# Altium PCB EVK-IRIS-W1.PcbDoc (part 2 of 9)
Units mm, origin at the board's own origin, x right, y up, seen from the top; angles counter-clockwise.
Board outline 94.11 x 129.93 mm, 6 copper layers (L1, L2, L3, L4, L5, L6), stack 1.547 mm thick; 619 components, 422 nets, 2042 pads, 1499 vias.
Unrouted connection lines stored in the file: 4.
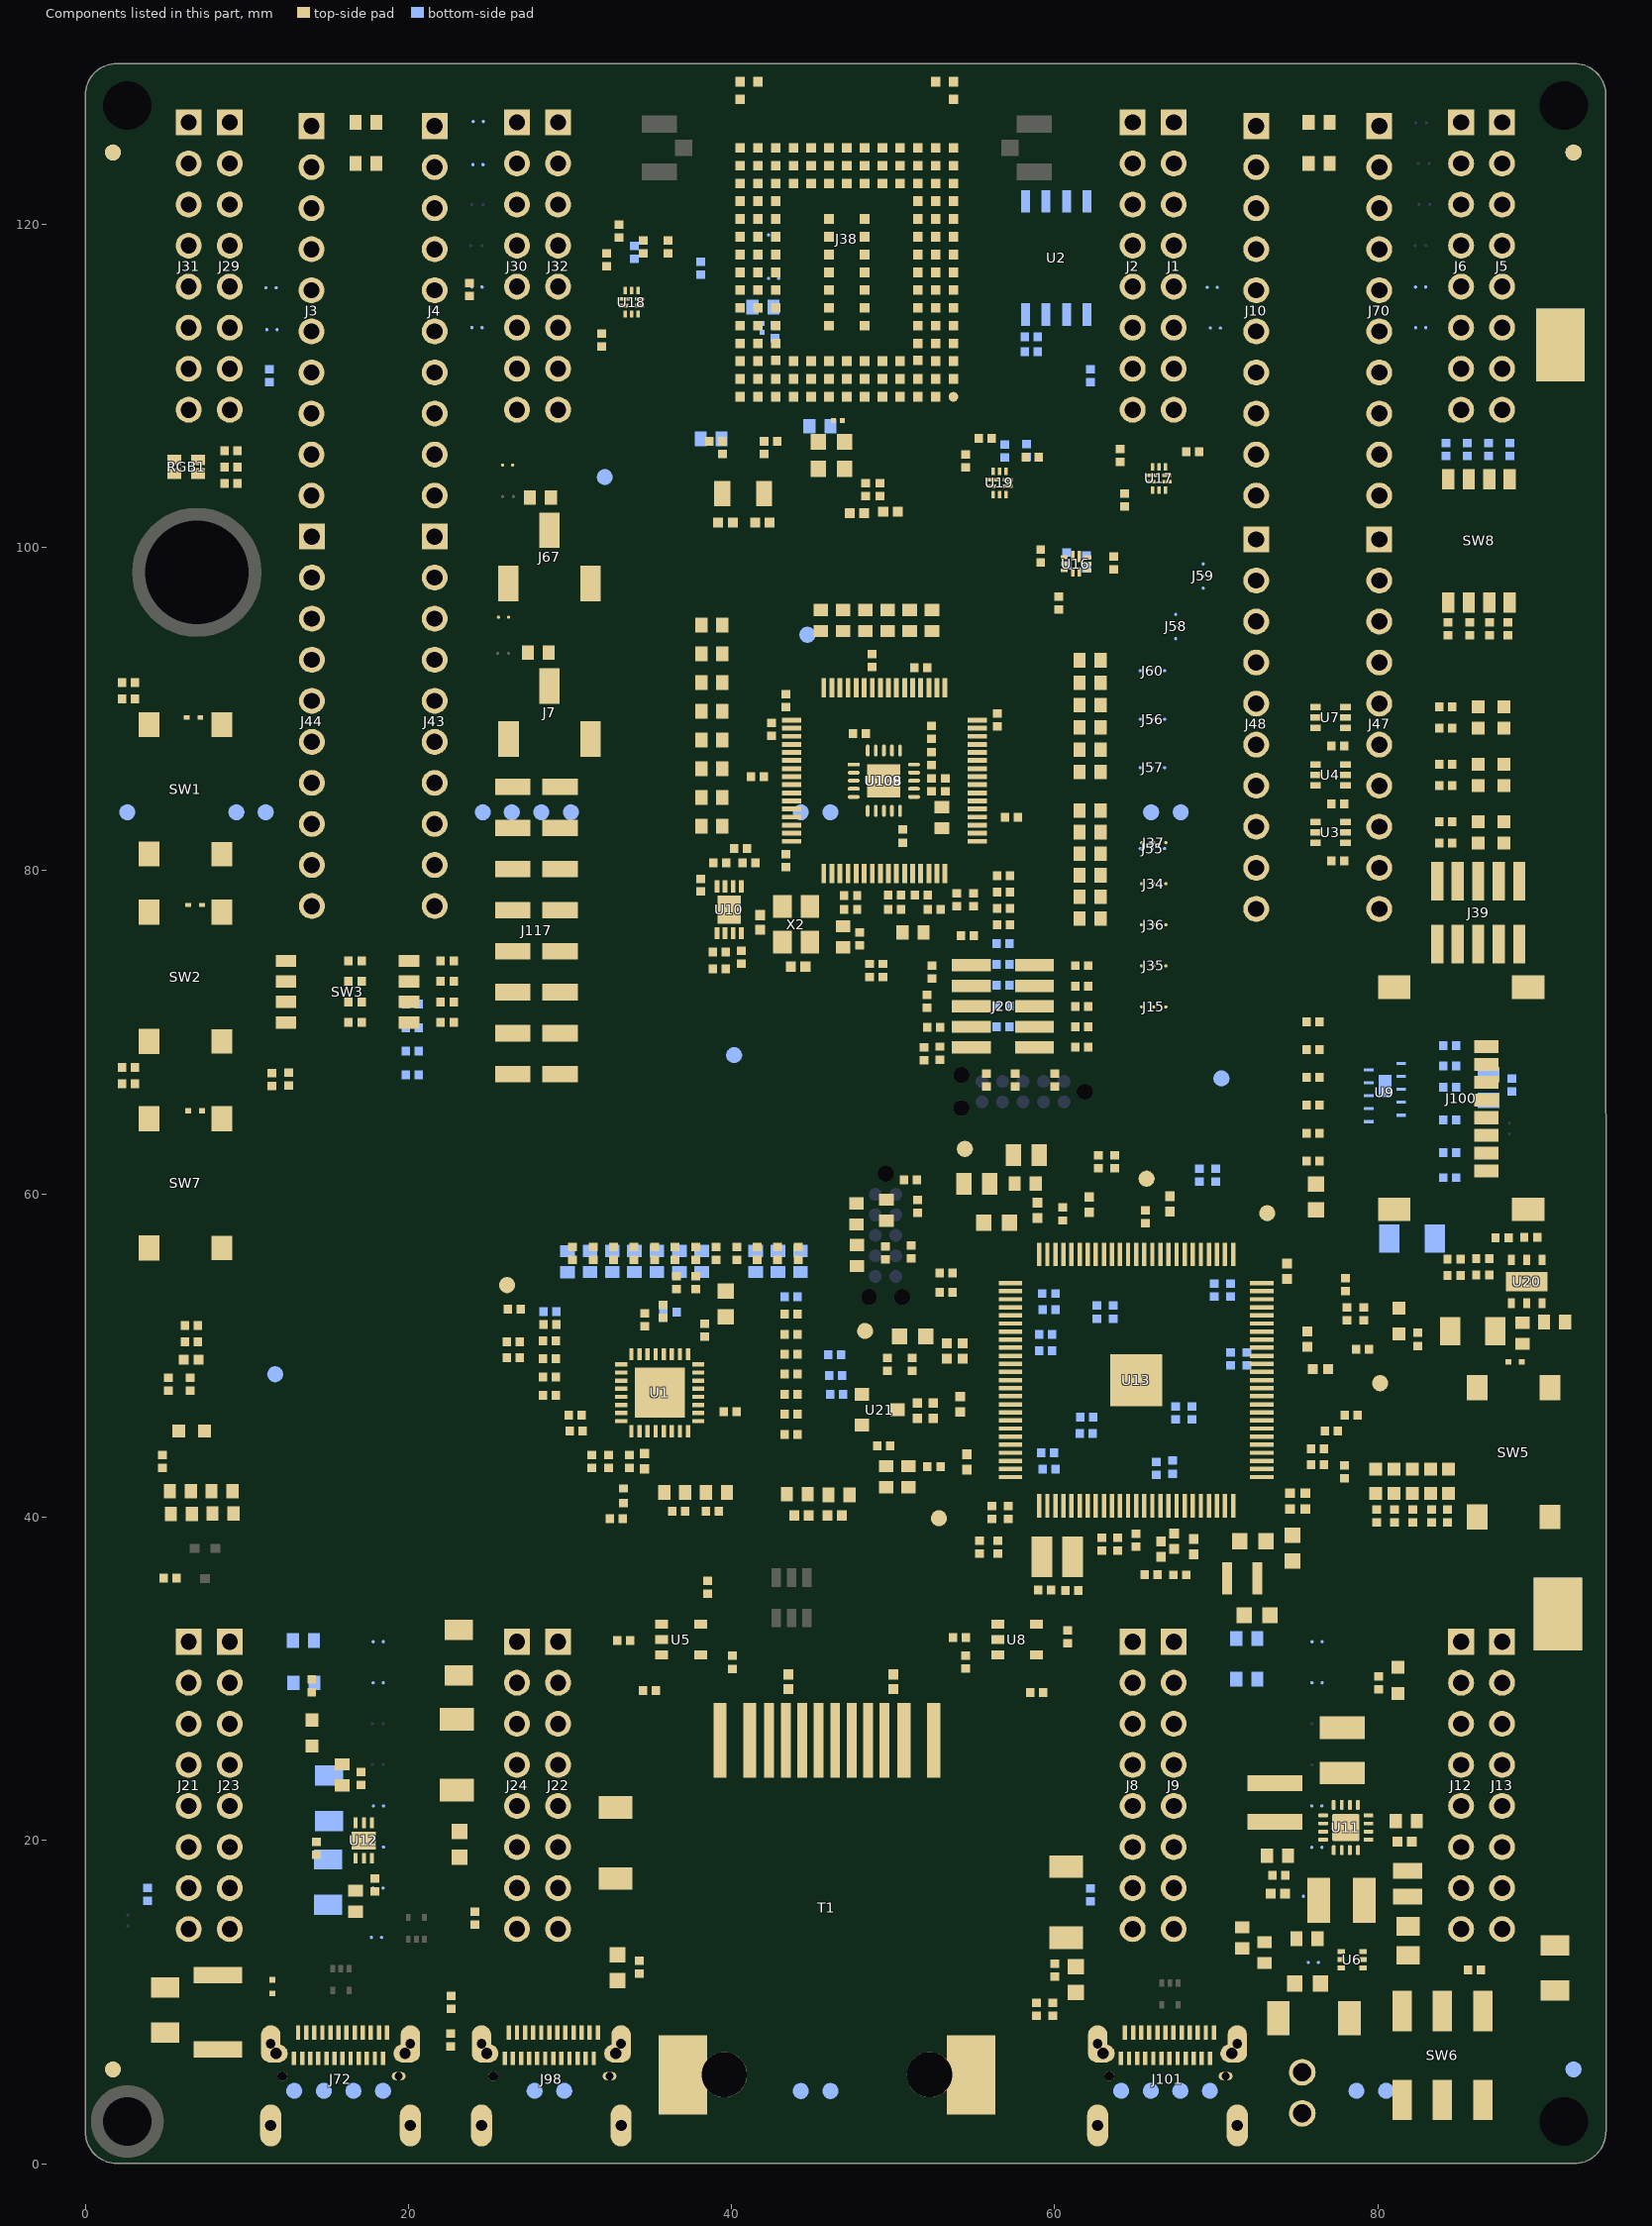
[diagram p6: the components of this part, seen from the top]

## Components (designator, comment, footprint, x,y, rotation, side; value= is the part's Value field where it differs from the comment) (continued)
R163 "180-000211k" "RES 0402 HD"#1 43.677,52.546 r0 top locked value=1k
R164 "UBXH18-00002134K7" "RES 0402 HD"#1 28.724,50.893 r180 top locked value=4K7
R165 "180-000211k" "RES 0402 HD"#1 26.491,49.847 r180 top locked value=1k
R166 "180-000211k" "RES 0402 HD"#1 43.677,53.631 r0 bottom locked value=1k
R167 "180-000211k" "RES 0402 HD"#1 36.191,52.671 r0 bottom locked value=1k
R168 "UBXH18-00002134K7" "RES 0402 HD"#1 35.76,52.722 r90 top locked value=4K7
R169 "180-000211k" "RES 0402 HD"#1 28.724,48.658 r180 top locked value=1k
R170 "180-000211k" "RES 0402 HD"#1 28.724,47.54 r180 top locked value=1k
R171 "180-000211k" "RES 0402 HD"#1 43.677,51.309 r0 top locked value=1k
R172 "180-000211k" "RES 0402 HD"#1 28.749,52.722 r180 bottom locked value=1k
R173 "180-000211k" "RES 0402 HD"#1 28.749,51.909 r180 top locked value=1k
R174 "180-000211k" "RES 0402 HD"#1 51.179,49.454 r90 top locked value=1k
R175 "UBXH18-0000005100K" "RES 0402 HD"#1 51.51,59.233 r90 top locked value=100K
R176 "UBXH18-0000005100K" "RES 0402 HD"#1 49.528,56.344 r90 top locked value=100K
R177 "UBXH18-00030020R" "RES 0402 HD"#1 56.488,38.151 r90 top locked value=0R
R178 "UBXH18-0000005100K" "RES 0402 HD"#1 57.111,40.284 r90 top locked value=100K
R179 "180-00014100k" "RES 0603 HD"#1 49.579,58.989 r90 top locked value=100k
R180 "180-00055200k" "RES 0402 HD"#1 56.107,40.284 r270 top locked value=200k
R181 "UBXH18-00030010R" "RES 0603 HD"#1 47.75,56.185 r90 top locked value=0R
R182 "180-000120R" "RES 0603 HD"#1 47.725,58.762 r90 top locked value=0R
R183 "UBXH18-0000005100K" "RES 0402 HD"#1 51.103,56.413 r270 top locked value=100K
R184 "UBXH18-00030020R" "RES 0402 HD"#1 49.63,49.454 r270 top locked value=0R
R185 "UBXH18-00030020R" "RES 0402 HD"#1 78.357,46.318 r180 top locked value=0R
R186 "180-000372k" "RES 0603 HD"#1 49.571,42.494 r90 top locked value=2k
R187 "180-000211k" "RES 0402 HD"#1 77.113,45.314 r180 top locked value=1k
R188 "180-000211k" "RES 0402 HD"#1 65.607,58.572 r270 top locked value=1k
R189 "180-000211k" "RES 0402 HD"#1 77.997,54.386 r270 top value=1k
R190 "180-000211k" "RES 0402 HD"#1 79.043,50.368 r180 top locked value=1k
R191 "180-000211k" "RES 0402 HD"#1 53.286,55.109 r0 top locked value=1k
R192 "180-000211k" "RES 0402 HD"#1 52.526,43.126 r0 top locked value=1k
R193 "180-000211k" "RES 0402 HD"#1 53.286,53.898 r0 top locked value=1k
R194 "180-000211k" "RES 0402 HD"#1 77.926,42.799 r270 top locked value=1k
R195 "180-000211k" "RES 0402 HD"#1 55.345,38.151 r90 top locked value=1k
R196 "180-000372k" "RES 0603 HD"#1 50.948,42.494 r90 top locked value=2k
R197 "UBXH18-0008042510R" "RES 0402 HD"#1 81.024,40.063 r90 top locked value=510R
R198 "UBXH18-0008042510R" "RES 0402 HD"#1 82.167,40.063 r90 top locked value=510R
R199 "180-0002410k" "RES 0402 HD"#1 65.962,36.437 r0 top locked value=10k
R200 "UBXH18-0008042510R" "RES 0402 HD"#1 79.93,40.063 r90 top locked value=510R
R201 "180-0002410k" "RES 0402 HD"#1 67.739,36.424 r180 top locked value=10k
R202 "UBXH18-0008042510R" "RES 0402 HD"#1 83.31,40.063 r90 top locked value=510R
R203 "UBXH18-00080665K1" "RES 0402 HD"#1 59.881,9.55 r270 top locked value=5K1
R204 "UBXH18-00030020R" "RES 0402 HD"#1 62.901,38.329 r90 top locked value=0R
R205 "UBXH18-00080665K1" "RES 0402 HD"#1 58.877,9.55 r90 top locked value=5K1
R206 "UBXH18-00030020R" "RES 0402 HD"#1 63.905,38.329 r90 top locked value=0R
R207 "UBXH18-0008042510R" "RES 0402 HD"#1 84.316,40.063 r90 top locked value=510R
R208 "UBXH18-00030020R" "RES 0402 HD"#1 87.677,57.282 r0 top locked value=0R
R209 "180-0002410k" "RES 0402 HD"#1 14.299,19.507 r270 top value=10k
R210 "UBXH18-00030020R" "RES 0402 HD"#1 30.157,56.313 r90 top locked value=0R
R211 "UBXH18-00000200R" "RES 1206"#1 82.115,57.243 r0 bottom locked value=0R
R212 "UBXH18-00030020R" "RES 0402 HD"#1 16.7,71.87 r180 top locked value=0R
R213 "UBXH18-00030020R" "RES 0402 HD"#1 16.7,70.601 r180 top locked value=0R
R214 "UBXH18-00030020R" "RES 0402 HD"#1 16.7,73.141 r180 top locked value=0R
R215 "UBXH18-00030020R" "RES 0402 HD"#1 16.7,74.411 r180 top locked value=0R
R216 "UBXH18-00030020R" "RES 0402 HD"#1 12.598,67.107 r270 top value=0R
R217 "UBXH18-0000005100K" "RES 0402 HD"#1 52.094,71.907 r90 top locked value=100K
R218 "UBXH18-00030020R" "RES 0402 HD"#1 11.557,67.081 r270 top value=0R
R219 "180-000232.2k" "RES 0402 HD"#1 78.091,52.586 r90 top locked value=2.2k
R220 "180-000232.2k" "RES 0402 HD"#1 79.121,52.586 r270 top locked value=2.2k
R221 "180-000232.2k" "RES 0402 HD"#1 63.712,61.976 r90 top value=2.2k
R222 "UBXH18-00030020R" "RES 0402 HD"#1 23.782,115.961 r90 top locked value=0R
R223 "180-000232.2k" "RES 0402 HD"#1 62.708,61.976 r90 top value=2.2k
R224 "180-000211k" "RES 0402 HD"#1 51.898,68.675 r90 top locked value=1k
R227 "180-000232.2k" "RES 0402 HD"#1 76.249,43.231 r0 top locked value=2.2k
R228 "180-000232.2k" "RES 0402 HD"#1 76.249,44.235 r180 top locked value=2.2k
R229 "180-000232.2k" "RES 0402 HD"#1 66.29,43.019 r90 bottom locked value=2.2k
R230 "180-000232.2k" "RES 0402 HD"#1 67.295,43.089 r90 bottom locked value=2.2k
R231 "180-000232.2k" "RES 0402 HD"#1 59.644,52.825 r0 bottom locked value=2.2k
R232 "180-000232.2k" "RES 0402 HD"#1 59.636,53.829 r180 bottom locked value=2.2k
R233 "180-000232.2k" "RES 0402 HD"#1 59.638,42.951 r0 bottom locked value=2.2k
R234 "180-000232.2k" "RES 0402 HD"#1 59.561,43.967 r0 bottom locked value=2.2k
R235 "180-000232.2k" "RES 0402 HD"#1 59.426,50.304 r0 bottom locked value=2.2k
R236 "180-000232.2k" "RES 0402 HD"#1 59.426,51.308 r180 bottom locked value=2.2k
R237 "180-000232.2k" "RES 0402 HD"#1 63.625,52.68 r270 bottom locked value=2.2k
R238 "180-000232.2k" "RES 0402 HD"#1 62.621,52.68 r270 bottom locked value=2.2k
R239 "180-000232.2k" "RES 0402 HD"#1 61.98,46.185 r0 bottom locked value=2.2k
R240 "180-000232.2k" "RES 0402 HD"#1 61.949,45.18 r180 bottom locked value=2.2k
R241 "180-000232.2k" "RES 0402 HD"#1 68.49,46.431 r90 bottom locked value=2.2k
R242 "180-000232.2k" "RES 0402 HD"#1 67.486,46.431 r90 bottom locked value=2.2k
R243 "180-000232.2k" "RES 0402 HD"#1 69.872,54.043 r270 bottom locked value=2.2k
R245 "180-000232.2k" "RES 0402 HD"#1 70.876,54.043 r90 bottom locked value=2.2k
R246 "180-000232.2k" "RES 0402 HD"#1 70.89,49.784 r90 bottom locked value=2.2k
R247 "180-000232.2k" "RES 0402 HD"#1 71.894,49.784 r90 bottom locked value=2.2k
R248 "180-000232.2k" "RES 0402 HD"#1 68.964,61.158 r90 bottom locked value=2.2k
R250 "180-000232.2k" "RES 0402 HD"#1 69.968,61.158 r270 bottom locked value=2.2k
R251 "UBXH18-00030020R" "RES 0402 HD"#1 60.245,96.537 r90 top locked value=0R
R252 "180-0002410k" "RES 0402 HD"#1 59.13,99.466 r90 top locked value=10k
R253 "UBXH18-00030020R" "RES 0402 HD"#1 64.311,102.914 r90 top locked value=0R
R254 "180-0002410k" "RES 0402 HD"#1 68.525,105.909 r180 top locked value=10k
R255 "UBXH18-00030020R" "RES 0402 HD"#1 33.042,119.575 r270 top locked value=0R
R256 "180-0002410k" "RES 0402 HD"#1 31.95,112.818 r90 top locked value=10k
R257 "UBXH18-00030020R" "RES 0402 HD"#1 54.479,105.351 r90 top locked value=0R
R258 "180-0002410k" "RES 0402 HD"#1 55.699,106.748 r0 top locked value=10k
R259 "UBXH18-00030020R" "RES 0402 HD"#1 33.982,118.254 r90 bottom locked value=0R
R260 "UBXH18-00030020R" "RES 0402 HD"#1 34.54,118.584 r270 top locked value=0R
R261 "UBXH18-00030020R" "RES 0402 HD"#1 38.093,117.254 r270 bottom locked value=0R
R262 "UBXH18-00030020R" "RES 0402 HD"#1 36.064,118.584 r270 top locked value=0R
R263 "UBXH18-00030020R" "RES 0402 HD"#1 41.583,56.313 r90 top locked value=0R
R264 "UBXH18-00030010R" "RES 0603 HD"#1 41.496,55.809 r90 bottom locked value=0R
R265 "UBXH18-00030020R" "RES 0402 HD"#1 42.853,56.313 r90 top locked value=0R
R266 "UBXH18-00030010R" "RES 0603 HD"#1 42.874,55.809 r90 bottom locked value=0R
R267 "UBXH18-00030020R" "RES 0402 HD"#1 39.445,106.17 r90 top locked value=0R
R268 "UBXH18-00030020R" "RES 0402 HD"#1 39.038,106.57 r0 top locked value=0R
R269 "UBXH18-00030010R" "RES 0603 HD"#1 38.733,106.705 r0 bottom locked value=0R
R270 "UBXH18-00030010R" "RES 0603 HD"#1 29.843,55.804 r90 bottom locked value=0R
R271 "UBXH18-00030020R" "RES 0402 HD"#1 42.014,106.17 r90 top locked value=0R
R272 "UBXH18-00030020R" "RES 0402 HD"#1 42.414,106.57 r180 top locked value=0R
R273 "UBXH18-00030010R" "RES 0603 HD"#1 45.464,107.493 r180 bottom locked value=0R
R274 "UBXH18-000006510K" "RES 0402 HD"#1 84.705,55.948 r0 top locked value=10K
R275 "UBXH18-00030020R" "RES 0402 HD"#1 32.696,56.313 r90 top locked value=0R
R276 "UBXH18-00030020R" "RES 0402 HD"#1 31.426,56.313 r90 top locked value=0R
R277 "UBXH18-00030010R" "RES 0603 HD"#1 32.612,55.809 r90 bottom locked value=0R
R278 "UBXH18-00030010R" "RES 0603 HD"#1 31.235,55.809 r90 bottom locked value=0R
R279 "UBXH18-00030020R" "RES 0402 HD"#1 44.123,56.313 r90 top locked value=0R
R280 "UBXH18-00030020R" "RES 0402 HD"#1 33.966,56.313 r90 top locked value=0R
R281 "UBXH18-00030020R" "RES 0402 HD"#1 37.775,56.313 r90 top locked value=0R
R282 "UBXH18-00030010R" "RES 0603 HD"#1 44.271,55.809 r90 bottom locked value=0R
R283 "UBXH18-00030010R" "RES 0603 HD"#1 33.989,55.809 r90 bottom locked value=0R
R284 "UBXH18-00030010R" "RES 0603 HD"#1 38.155,55.809 r90 bottom locked value=0R
R285 "UBXH18-00030020R" "RES 0402 HD"#1 36.505,56.313 r90 top locked value=0R
R286 "UBXH18-00030010R" "RES 0603 HD"#1 36.778,55.809 r90 bottom locked value=0R
R287 "UBXH18-000006510K" "RES 0402 HD"#1 84.705,54.943 r0 top locked value=10K
R288 "UBXH18-00000200R" "RES 1206"#2 85.874,51.514 r180 top locked value=0R
R289 "UBXH18-0008041470R" "RES 0402 HD"#1 82.47,50.995 r90 top locked value=470R
R290 "UBXH18-00030020R" "RES 0402 HD"#1 60,67.031 r270 top value=0R
R291 "UBXH18-00030020R" "RES 0402 HD"#1 61.662,71.59 r0 top locked value=0R
R292 "UBXH18-00030020R" "RES 0402 HD"#1 55.777,67.031 r270 top locked value=0R
R293 "UBXH18-00030020R" "RES 0402 HD"#1 61.662,70.326 r0 top locked value=0R
R294 "UBXH18-00030020R" "RES 0402 HD"#1 56.844,76.644 r180 top locked value=0R
R296 "UBXH18-00030020R" "RES 0402 HD"#1 56.844,77.656 r180 top locked value=0R
RGB1 "115-00026" LED_1616 6.25,104.99 r270 top locked
SW1 "135-00002" SW_TACT_SMT_6mm 6.206,85.027 r270 top locked
SW2 "135-00002" SW_TACT_SMT_6mm 6.206,73.423 r270 top locked
SW3 "137-00012" SOP1.27P6.2x6.2-8Pin 16.233,72.506 r180 top locked
SW5 "135-00002" SW_TACT_SMT_6mm 88.39,44.003 r270 top locked
SW6 "137-00006" SW_Slide_DPDT_JS202011SCQN 83.99,6.69 r180 top locked
SW7 "135-00002" SW_TACT_SMT_6mm 6.206,60.651 r270 top locked
SW8 "137-00012" SOP1.27P6.2x6.2-8Pin 86.255,100.398 r270 top locked
T1 "74980111211" 74980111211 45.902,12.916 r0 top locked
TP1 "TP" TP10R#1 18.428,4.5 r180 bottom locked
TP2 "TP" TP10R#1 64.113,4.5 r90 bottom locked
TP3 "TP" TP10R#1 44.287,4.491 r90 bottom locked
TP4 "TP" TP10R#1 69.603,4.5 r90 bottom locked
TP5 "TP" TP10R#1 46.117,4.491 r90 bottom locked
TP6 "TP" TP10R#2 78.675,4.491 r90 bottom locked
TP7 "TP" TP10R#2 80.505,4.491 r90 bottom locked
TP8 "TP" TP10R#3 11.186,83.609 r90 bottom locked
TP9 "TP" TP10R#1 9.356,83.609 r90 bottom locked
TP10 "TP" TP10R#1 2.607,83.609 r90 bottom locked
TP11 "TP" TP10R#1 44.286,83.609 r90 bottom locked
TP12 "TP" TP10R#1 46.116,83.609 r90 bottom locked
TP13 "TP" TP10R#1 65.966,83.609 r90 bottom locked
TP14 "TP" TP10R#1 67.796,83.609 r90 bottom locked
TP15 "TP" TP10R#1 32.155,104.343 r90 bottom locked
TP16 "TP" TP10R#1 30.057,83.609 r90 bottom locked
TP17 "TP" TP10R#1 70.317,67.139 r90 bottom locked
TP18 "TP" TP10R#1 44.697,94.589 r90 bottom locked
TP19 "TP" TP10R#1 11.757,48.839 r90 bottom locked
TP20 "TP" TP10R#1 24.607,83.609 r90 bottom locked
TP21 "TP" TP10R#1 26.397,83.609 r90 bottom locked
TP22 "TP" TP10R#1 12.938,4.5 r90 bottom locked
TP23 "TP" TP10R#1 26.11,54.356 r90 top locked
TP24 "TP" TP10R#1 40.156,68.58 r90 bottom locked
TP25 "TP" TP10R#1 80.135,48.285 r90 top
TP26 "TP" TP10R#1 54.436,62.78 r90 top locked
TP27 "TP" TP10R#1 73.15,58.801 r90 top locked
TP28 "TP" TP10R#1 52.83,39.929 r90 top locked
TP29 "TP" TP10R#1 65.683,60.935 r90 top locked
TP30 "TP" TP10R#1 48.258,51.511 r90 top locked
TP31 "TP" TP10R#1 65.943,4.5 r90 bottom locked
TP32 "TP" TP10R#1 67.773,4.5 r90 bottom locked
TP33 "TP" TP10R#1 28.227,83.609 r90 bottom locked
TP101 "TP4.5x3SqDNP" TP4.5x3Sq#1 72.286,34 r90 top locked
TP102 "TP4.5x3SqDNP" TP4.5x3Sq#2 91.293,112.526 r90 top locked
TP103 "TP4.5x3SqDNP" TP4.5x3Sq#2 91.293,112.526 r90 bottom locked
TP104 "TP4.5x3SqDNP" TP4.5x3Sq#3 91.142,44.042 r90 top locked
TP111 "TP" TP10R#1 27.813,4.5 r90 bottom locked
TP112 "TP" TP10R#1 29.643,4.5 r90 bottom locked
TP141 "TP" TP10R#1 14.768,4.5 r90 bottom locked
TP142 "TP" TP10R#1 16.598,4.5 r90 bottom locked
U1 "220-00037" QFN0.5P8x8-32Pin_W-Pad 35.552,47.69 r90 top locked
U2 "240-00017" SOIC-8W 60.095,117.907 r270 bottom locked
U3 "225-00022" SC70-6 77.061,82.362 r0 top locked
U4 "225-00022" SC70-6 77.061,85.918 r0 top locked
U5 "74LVC1G07GV_SOT753" sot-753 36.881,32.419 r0 top locked
U6 "MP5075GTF" SOT-563 78.407,12.615 r180 top locked
U7 "225-00022" SC70-6 77.061,89.474 r0 top locked
U8 "74LVC1G07GV_SOT753" sot-753 57.673,32.419 r0 top locked
U9 "" DFN10 80.44,66.269 r180 bottom locked
U10 "93AA56CT-I/MC" DFN-MC8 39.845,77.577 r270 top locked
U11 "UBXH12-0000160" QFN0.5P3x3-16Pin_W-Pad 78.013,20.791 r0 top locked value=3V3
U12 "AP2151FMG-7" SON50P201X181X60-7N 17.243,19.986 r270 top locked
U13 "LPC55S69JBD100K" QFP50P1600X1600X160-101N 65.041,48.477 r0 top locked
U16 "NX3DV42GU10X" XQFN10_SOT1337-1_NXP#1 61.311,98.985 r270 top locked
U17 "NX3DV42GU10X" XQFN10_SOT1337-1_NXP#1 66.443,104.258 r0 top locked
U18 "NX3DV42GU10X" XQFN10_SOT1337-1_NXP#1 33.812,115.155 r0 top locked
U19 "NX3DV42GU10X" XQFN10_SOT1337-1_NXP#2 56.595,103.984 r0 top locked
U20 "NCP692MN33T2G" DFN-PSON.1P3X3-7pin_HS-7N 89.209,54.566 r270 top locked value=3.3V
U21 "LM4040C30FTA" SOT-23 49.173,46.634 r0 top locked
U108 "FT4232HL" QFP0.5P16x16-64Pin_HD 49.457,85.559 r90 top locked
U109 "FT231XQ-R" QFN_5x5_FT231XQ 49.425,85.559 r0 top locked
X1 "100-00005" XTAL_3215 40.716,103.324 r180 top locked
X2 "100-00006" XTAL_3225 43.996,76.669 r270 top locked
X3 "CX3225GA16000D0PTVCC" XTAL2_CX3225GA_AVX 60.15,37.541 r0 top

## Footprints (in the part's own frame and the unit in brackets; to place one, negate y for a bottom-side part, rotate by r counter-clockwise, add the part's x,y. Pads: shape width x height; smd on the part's side, far side on the other; paste and mask are expansions set on the pad)
74980111211 [mm] "LAN Transformer, body 25.4x16.1mm"
  rect 0.81x4.6 smd: 1(6.61,13.27) 2(4.77,13.27) 11(-4.77,13.27) 12(-6.61,13.27)
  rect 0.61x4.6 smd: 3(3.57,13.27) 4(2.55,13.27) 5(1.53,13.27) 6(0.51,13.27) 7(-0.51,13.27) 8(-1.53,13.27) 9(-2.55,13.27)
  rect 0.61x4.6 smd mask+0.05: 10(-3.57,13.27)
  round 2.8 hole 2.8 unplated: MH1(-6.35,-7.42) MH2(6.35,-7.42)
  rect 3x4.9 smd mask+0: Shell(-8.92,-7.42) Shell(8.92,-7.42)
  silkscreen extent -8.15,-12.8 8.15,12.8, body extent -9.65,-12.85 9.65,14, height 15.26
BLM18EG221SN1 [mm] "Inductor 0603 footprint, IPC high density"
  rect 0.95x1 smd: 1(-0.8,0) 2(0.8,0)
  silkscreen extent -0.15,-0.5 0.15,0.5, body extent -0.8,-0.4 0.8,0.4, height 0.8
"Cap 0201 HD"#1 [mm] "Chip Capacitor, 2-Leads, Body 0.60x0.30mm, IPC High Density"
  rect 0.3x0.3 smd mask+0: 1(-0.275,0)
  rect 0.3x0.3 smd: 2(0.275,0)
  body extent -0.32,-0.17 0.32,0.17, height 0.33
"Cap 0201 HD"#2 [mm] "Chip Capacitor, 2-Leads, Body 0.60x0.30mm, IPC High Density"
  rect 0.3x0.3 smd: 1(-0.275,0) 2(0.275,0)
  body extent -0.32,-0.17 0.32,0.17, height 0.33
"Cap 0402" [mm] "Chip Capacitor, 2-Leads, Body 1.00x0.50mm, IPC Medium Density"
  rect 0.62x0.62 smd: 1(-0.45,0) 2(0.45,0)
  silkscreen extent -0.1,-0.43 0.1,0.43, body extent -0.55,-0.3 0.55,0.3, height 0.6
"CAP 0402"#1 [mm] "Chip Capacitor, 2-Leads, Body 1.00x0.50mm, IPC Medium Density"
  rect 0.62x0.62 smd mask+0: 1(-0.45,0)
  rect 0.62x0.62 smd: 2(0.45,0)
  silkscreen extent -0.1,-0.43 0.1,0.43, body extent -0.55,-0.3 0.55,0.3, height 0.6
"CAP 0402"#2 [mm] "Chip Capacitor, 2-Leads, Body 1.00x0.50mm, IPC Medium Density"
  rect 0.62x0.62 smd: 1(-0.45,0) 2(0.45,0)
  silkscreen extent -0.1,-0.43 0.1,0.43, body extent -0.55,-0.3 0.55,0.3, height 0.6
"Cap 0402 HD"#1 [mm] "Chip Capacitor, 2-Leads, Body 1.00x0.50mm, IPC High Density"
  rect 0.52x0.55 smd: 1(-0.4,0) 2(0.4,0)
  silkscreen extent -0.1,-0.38 0.1,0.38, body extent -0.55,-0.3 0.55,0.3, height 0.6
"Cap 0402 HD"#2 [mm] "Chip Capacitor, 2-Leads, Body 1.00x0.50mm, IPC High Density"
  rect 0.52x0.55 smd far side: 1(-0.4,0) 2(0.4,0)
  body extent -0.55,-0.3 0.55,0.3, height 0.6
"Cap 0402 HD"#3 [mm] "Chip Capacitor, 2-Leads, Body 1.00x0.50mm, IPC High Density"
  rect 0.52x0.55 smd mask+0: 1(-0.4,0)
  rect 0.52x0.55 smd: 2(0.4,0)
  silkscreen extent -0.1,-0.37 0.1,0.38, body extent -0.55,-0.3 0.55,0.3, height 0.6
"cap 0603" [mm] "Cap chip, 0603 1.6mm x 1.8mm, IPC Medium Density"
  rect 0.95x1 smd: 1(-0.8,0) 2(0.8,0)
  body extent -0.87,-0.48 0.87,0.47, height 0.95
"Cap 0603"#1 [mm] "Cap chip, 0603 1.6mm x 1.8mm, IPC Medium Density"
  rect 0.95x1 smd: 1(-0.8,0) 2(0.8,0)
  body extent -0.87,-0.48 0.87,0.47, height 0.95
"Cap 0603"#2 [mm] "Cap chip, 0603 1.6mm x 1.8mm, IPC Medium Density"
  rect 0.95x1 smd mask+0: 1(-0.8,0)
  rect 0.95x1 smd: 2(0.8,0)
  body extent -0.87,-0.48 0.87,0.47, height 0.95
"Cap 0603 HD"#1 [mm] "Chip Cap 0603, 1.75mm x 9.5mm IPC High Density"
  rect 0.75x0.9 smd: 1(-0.65,0)
  rect 0.75x0.9 smd mask+0: 2(0.65,0)
  silkscreen extent -0.15,-0.5 0.15,0.5, body extent -0.87,-0.48 0.87,0.47, height 0.95
"Cap 0603 HD"#2 [mm] "Chip Cap 0603, 1.75mm x 9.5mm IPC High Density"
  rect 0.75x0.9 smd: 1(-0.65,0) 2(0.65,0)
  silkscreen extent -0.15,-0.5 0.15,0.5, body extent -0.87,-0.48 0.87,0.47, height 0.95
"Cap 0603 HD"#3 [mm] "Chip Cap 0603, 1.75mm x 9.5mm IPC High Density"
  rect 0.75x0.9 smd mask+0: 1(-0.65,0)
  rect 0.75x0.9 smd: 2(0.65,0)
  silkscreen extent -0.15,-0.5 0.15,0.5, body extent -0.87,-0.48 0.87,0.47, height 0.95
"Cap 0805" [mm] "Cap, 0805, IPC Medium Density"
  rect 1.15x1.45 smd mask+0: 1(-0.9,0)
  rect 1.15x1.45 smd: 2(0.9,0)
  silkscreen extent -0.2,-0.8 0.2,0.8, body extent -1.1,-0.72 1.1,0.72, height 1.1
"Cap 0805 HD"#1 [mm] "Cap, 0805, IPC High Density"
  rect 0.95x1.35 smd mask+0: 1(-0.8,0)
  rect 0.95x1.35 smd: 2(0.8,0)
  silkscreen extent -0.2,-0.8 0.2,0.8, body extent -1.1,-0.72 1.1,0.72, height 1.1
"Cap 0805 HD"#2 [mm] "Cap, 0805, IPC High Density"
  rect 0.95x1.35 smd: 1(-0.8,0) 2(0.8,0)
  silkscreen extent -0.2,-0.8 0.2,0.8, body extent -1.1,-0.72 1.1,0.72, height 1.1
"Cap 1210" [mm] "Capacitor, 1210, IPC Medium Density"
  rect 1.4x2.8 smd mask+0: 1(-1.4,0)
  rect 1.4x2.8 smd: 2(1.4,0)
  silkscreen extent -0.5,-1.45 0.5,1.45, body extent -1.7,-1.35 1.7,1.35, height 2.8
Cap_0402_1100Lx600Wx600H_600x600Pad_350G_FLX#1 [mm] "Chip Capacitor, 2-Leads, 0402, Tolerance +/-0.1mm, Body max. 1.10x0.60mm, Approved by Flex (Cadence Library compatible)"